# KiCad board yddraig68k.kicad_pcb (continued)
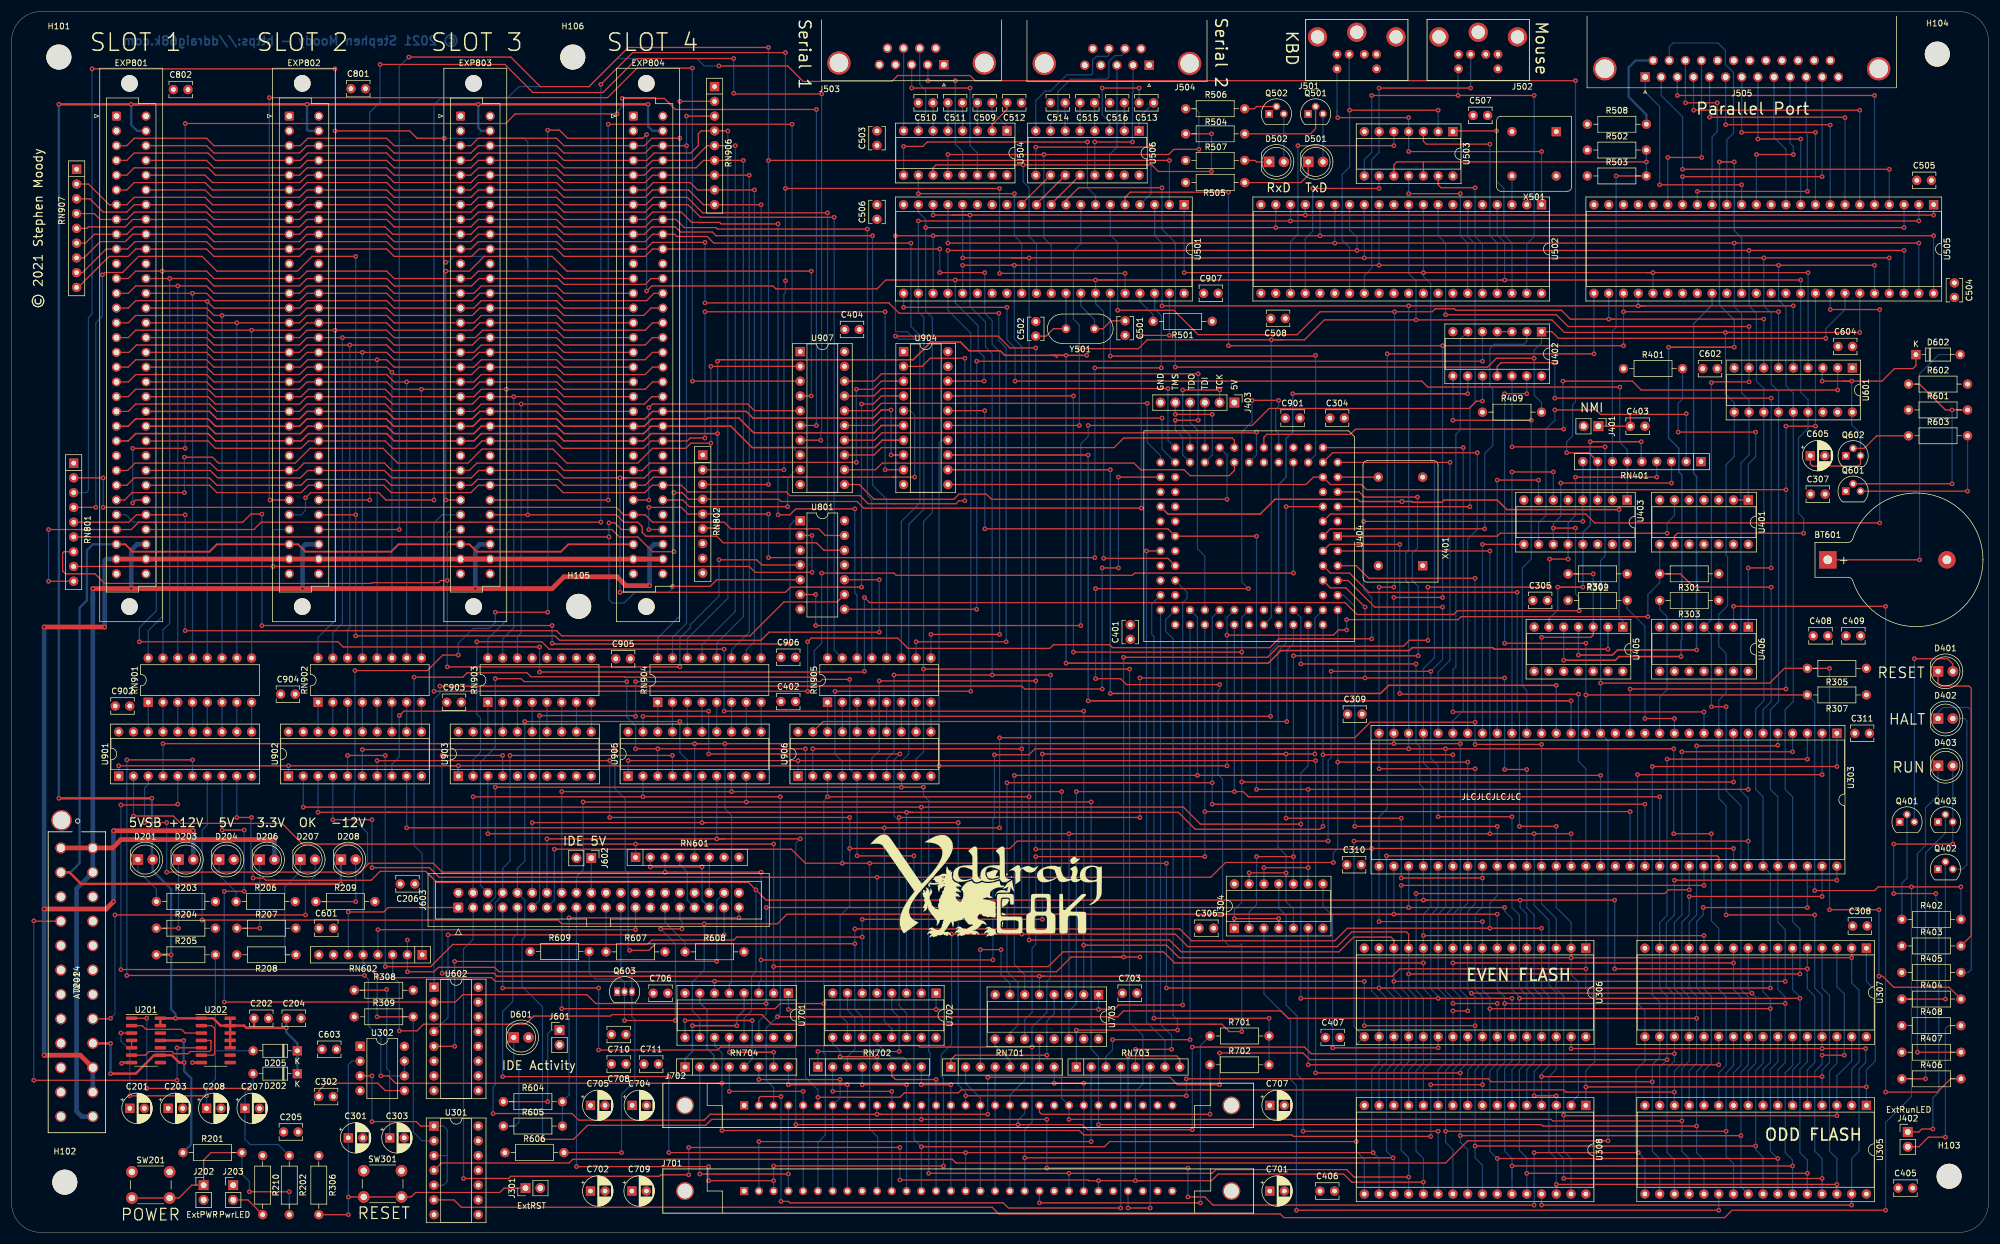
[diagram p0: board, top side]
## Footprints (pads in the part's own frame, mm; a bottom-side part is the same pattern mirrored in y, then rotated) (continued)
DIP-64_W22.86mm_Socket
  rect 1.6x1.6 hole 0.8: 1(0,0)
  oval 1.6x1.6 hole 0.8: 2(0,-2.54) 3(0,-5.08) 4(0,-7.62) 5(0,-10.16) 6(0,-12.7) 7(0,-15.24) 8(0,-17.78) 9(0,-20.32) 10(0,-22.86) 11(0,-25.4) 12(0,-27.94) 13(0,-30.48) 14(0,-33.02) 15(0,-35.56) 16(0,-38.1) 17(0,-40.64) 18(0,-43.18) 19(0,-45.72) 20(0,-48.26) 21(0,-50.8) 22(0,-53.34) 23(0,-55.88) 24(0,-58.42) 25(0,-60.96) 26(0,-63.5) 27(0,-66.04) 28(0,-68.58) 29(0,-71.12) 30(0,-73.66) 31(0,-76.2) 32(0,-78.74) 33(22.86,-78.74) 34(22.86,-76.2) 35(22.86,-73.66) 36(22.86,-71.12) 37(22.86,-68.58) 38(22.86,-66.04) 39(22.86,-63.5) 40(22.86,-60.96) 41(22.86,-58.42) 42(22.86,-55.88) 43(22.86,-53.34) 44(22.86,-50.8) 45(22.86,-48.26) 46(22.86,-45.72) 47(22.86,-43.18) 48(22.86,-40.64) 49(22.86,-38.1) 50(22.86,-35.56) 51(22.86,-33.02) 52(22.86,-30.48) 53(22.86,-27.94) 54(22.86,-25.4) 55(22.86,-22.86) 56(22.86,-20.32) 57(22.86,-17.78) 58(22.86,-15.24) 59(22.86,-12.7) 60(22.86,-10.16) 61(22.86,-7.62) 62(22.86,-5.08) 63(22.86,-2.54) 64(22.86,0)
DSUB-9_Male_Horizontal_P2.77x2.84mm_EdgePinOffset4.94mm_Housed_MountingHolesOffset7.48mm
  round 4 hole 3.2: 0(-6.96,-0.3) 0(18.04,-0.3)
  rect 1.6x1.6 hole 1: 1(0,0)
  round 1.6 hole 1: 2(2.77,0) 3(5.54,0) 4(8.31,0) 5(11.08,0) 6(1.385,-2.84) 7(4.155,-2.84) 8(6.925,-2.84) 9(9.695,-2.84)
DSUB-25_Female_Horizontal_P2.77x2.84mm_EdgePinOffset7.70mm_Housed_MountingHolesOffset9.12mm
  round 4 hole 3.2: 0(-40.17,-1.42) 0(6.93,-1.42)
  rect 1.6x1.6 hole 1: 1(0,0)
  round 1.6 hole 1: 2(-2.77,0) 3(-5.54,0) 4(-8.31,0) 5(-11.08,0) 6(-13.85,0) 7(-16.62,0) 8(-19.39,0) 9(-22.16,0) 10(-24.93,0) 11(-27.7,0) 12(-30.47,0) 13(-33.24,0) 14(-1.385,-2.84) 15(-4.155,-2.84) 16(-6.925,-2.84) 17(-9.695,-2.84) 18(-12.465,-2.84) 19(-15.235,-2.84) 20(-18.005,-2.84) 21(-20.775,-2.84) 22(-23.545,-2.84) 23(-26.315,-2.84) 24(-29.085,-2.84) 25(-31.855,-2.84)
IDC-Header_2x20_P2.54mm_Vertical
  rrect 1.7x1.7 hole 1: 1(0,0)
  round 1.7 hole 1: 2(2.54,0) 3(0,-2.54) 4(2.54,-2.54) 5(0,-5.08) 6(2.54,-5.08) 7(0,-7.62) 8(2.54,-7.62) 9(0,-10.16) 10(2.54,-10.16) 11(0,-12.7) 12(2.54,-12.7) 13(0,-15.24) 14(2.54,-15.24) 15(0,-17.78) 16(2.54,-17.78) 17(0,-20.32) 18(2.54,-20.32) 19(0,-22.86) 20(2.54,-22.86) 21(0,-25.4) 22(2.54,-25.4) 23(0,-27.94) 24(2.54,-27.94) 25(0,-30.48) 26(2.54,-30.48) 27(0,-33.02) 28(2.54,-33.02) 29(0,-35.56) 30(2.54,-35.56) 31(0,-38.1) 32(2.54,-38.1) 33(0,-40.64) 34(2.54,-40.64) 35(0,-43.18) 36(2.54,-43.18) 37(0,-45.72) 38(2.54,-45.72) 39(0,-48.26) 40(2.54,-48.26)
LED_D5.0mm
  rect 1.8x1.8 hole 0.9: 1(0,0)
  round 1.8 hole 0.9: 2(2.54,0)
MINI-DIN-6-FULL-SHIELD
  round 1.524 hole 0.762: 1(-1.3,-8.5) 2(1.3,-8.5) 3(-3.4,-8.5) 4(3.4,-8.5) 5(-3.4,-11) 6(3.4,-11)
  round 3.3 hole 2.3: 7(-6.75,-5.5) 7(0,-4.7) 7(6.75,-5.5)
MountingHole_4.3mm_M4
  round 4.3 hole 4.3 unplated: (0,0)
Oscillator_DIP-8
  rect 1.6x1.6 hole 0.8: 1(0,0)
  round 1.6 hole 0.8: 4(7.62,0) 5(7.62,7.62) 8(0,7.62)
Oscillator_DIP-14
  rect 1.6x1.6 hole 0.8: 1(0,0)
  round 1.6 hole 0.8: 7(15.24,0) 8(15.24,7.62) 14(0,7.62)
PinHeader_1x02_P2.54mm_Vertical
  rect 1.7x1.7 hole 1: 1(0,0)
  oval 1.7x1.7 hole 1: 2(0,-2.54)
PinHeader_1x06_P2.54mm_Vertical
  rect 1.7x1.7 hole 1: 1(0,0)
  oval 1.7x1.7 hole 1: 2(0,-2.54) 3(0,-5.08) 4(0,-7.62) 5(0,-10.16) 6(0,-12.7)
PLCC-84_THT-Socket
  rect 1.422x1.422 hole 0.8: 1(0,0)
  round 1.422 hole 0.8: 2(0,-2.54) 3(-2.54,0) 4(-2.54,-2.54) 5(-5.08,0) 6(-5.08,-2.54) 7(-7.62,0) 8(-7.62,-2.54) 9(-10.16,0) 10(-10.16,-2.54) 11(-12.7,0) 12(-15.24,-2.54) 13(-12.7,-2.54) 14(-15.24,-5.08) 15(-12.7,-5.08) 16(-15.24,-7.62) 17(-12.7,-7.62) 18(-15.24,-10.16) 19(-12.7,-10.16) 20(-15.24,-12.7) 21(-12.7,-12.7) 22(-15.24,-15.24) 23(-12.7,-15.24) 24(-15.24,-17.78) 25(-12.7,-17.78) 26(-15.24,-20.32) 27(-12.7,-20.32) 28(-15.24,-22.86) 29(-12.7,-22.86) 30(-15.24,-25.4) 31(-12.7,-25.4) 32(-15.24,-27.94) 33(-12.7,-30.48) 34(-12.7,-27.94) 35(-10.16,-30.48) 36(-10.16,-27.94) 37(-7.62,-30.48) 38(-7.62,-27.94) 39(-5.08,-30.48) 40(-5.08,-27.94) 41(-2.54,-30.48) 42(-2.54,-27.94) 43(0,-30.48) 44(0,-27.94) 45(2.54,-30.48) 46(2.54,-27.94) 47(5.08,-30.48) 48(5.08,-27.94) 49(7.62,-30.48) 50(7.62,-27.94) 51(10.16,-30.48) 52(10.16,-27.94) 53(12.7,-30.48) 54(15.24,-27.94) 55(12.7,-27.94) 56(15.24,-25.4) 57(12.7,-25.4) 58(15.24,-22.86) 59(12.7,-22.86) 60(15.24,-20.32) 61(12.7,-20.32) 62(15.24,-17.78) 63(12.7,-17.78) 64(15.24,-15.24) 65(12.7,-15.24) 66(15.24,-12.7) 67(12.7,-12.7) 68(15.24,-10.16) 69(12.7,-10.16) 70(15.24,-7.62) 71(12.7,-7.62) 72(15.24,-5.08) 73(12.7,-5.08) 74(15.24,-2.54) 75(12.7,0) 76(12.7,-2.54) 77(10.16,0) 78(10.16,-2.54) 79(7.62,0) 80(7.62,-2.54) 81(5.08,0) 82(5.08,-2.54) 83(2.54,0) 84(2.54,-2.54)
R_Array_SIP8
  rect 1.6x1.6 hole 0.8: 1(0,0)
  oval 1.6x1.6 hole 0.8: 2(2.54,0) 3(5.08,0) 4(7.62,0) 5(10.16,0) 6(12.7,0) 7(15.24,0) 8(17.78,0)
R_Array_SIP9
  rect 1.6x1.6 hole 0.8: 1(0,0)
  oval 1.6x1.6 hole 0.8: 2(2.54,0) 3(5.08,0) 4(7.62,0) 5(10.16,0) 6(12.7,0) 7(15.24,0) 8(17.78,0) 9(20.32,0)
R_Axial_DIN0207_L6.3mm_D2.5mm_P10.16mm_Horizontal
  round 1.6 hole 0.8: 1(0,0)
  oval 1.6x1.6 hole 0.8: 2(10.16,0)
SIMM-30
  rect 1.397x1.397 hole 0.813: 1(-36.83,0)
  round 1.397 hole 0.813: 2(-34.29,0) 3(-31.75,0) 4(-29.21,0) 5(-26.67,0) 6(-24.13,0) 7(-21.59,0) 8(-19.05,0) 9(-16.51,0) 10(-13.97,0) 11(-11.43,0) 12(-8.89,0) 13(-6.35,0) 14(-3.81,0) 15(-1.27,0) 16(1.27,0) 17(3.81,0) 18(6.35,0) 19(8.89,0) 20(11.43,0) 21(13.97,0) 22(16.51,0) 23(19.05,0) 24(21.59,0) 25(24.13,0) 26(26.67,0) 27(29.21,0) 28(31.75,0) 29(34.29,0) 30(36.83,0)
  round 3.048 hole 2.54: 31(46.99,0) 32(-46.99,0)
SO-14_3.9x8.65mm_P1.27mm
  rrect 1.95x0.6 smd: 1(-2.475,3.81) 2(-2.475,2.54) 3(-2.475,1.27) 4(-2.475,0) 5(-2.475,-1.27) 6(-2.475,-2.54) 7(-2.475,-3.81) 8(2.475,-3.81) 9(2.475,-2.54) 10(2.475,-1.27) 11(2.475,0) 12(2.475,1.27) 13(2.475,2.54) 14(2.475,3.81)
SW_PUSH_6mm_H4.3mm
  round 2 hole 1.1: 1(0,0) 1(6.5,0) 2(0,-4.5) 2(6.5,-4.5)
TO-92
  rect 1.3x1.3 hole 0.75: 1(0,0)
  round 1.3 hole 0.75: 2(1.27,1.27) 3(2.54,0)
TO-92_Inline
  rect 1.05x1.5 hole 0.75: 1(0,0)
  oval 1.05x1.5 hole 0.75: 2(1.27,0) 3(2.54,0)

## Nets
+3V3: D206.2 EXP801.C30 EXP802.C30 EXP803.C30 EXP804.C30 J201.1 J201.2 J201.12 J201.13
+5V: C201.1 C203.1 C205.1 C206.1 C304.1 C305.1 C306.1 C307.1 C308.1 C309.1 C310.1 C311.1 C401.1 C402.1 C404.1 C405.1 C406.1 C407.1 C408.1 C409.1 C503.1 C504.1 C505.1 C506.1 C507.1 C508.1 C512.1 C516.2 C601.1 C602.1 C603.1 C604.1 C701.1 C702.1 C703.1 C704.1 C705.1 C706.1 C707.1 C708.1 C709.1 C710.1 C711.1 C801.1 C802.1 C901.1 C902.1 C903.1 C904.1 C905.1 C906.1 C907.1 D204.2 D601.2 EXP801.A1 EXP801.A24 EXP801.C1 EXP802.A1 EXP802.A24 EXP802.C1 EXP803.A1 EXP803.A24 EXP803.C1 EXP804.A1 EXP804.A24 EXP804.C1 J201.4 J201.6 J201.21 J201.22 J201.23 J203.1 J403.1 J501.4 J502.4 J601.2 J602.2 J701.1 J701.30 J702.1 J702.30 Q401.1 Q402.1 Q403.1 Q501.1 Q502.1 Q602.1 R301.1 R302.1 R303.1 R304.1 R305.1 R306.1 R307.1 R308.1 R309.1 R401.1 R409.1 R501.1 R502.1 R503.1 R508.1 R601.1 R606.1 R608.2 RN401.1 RN801.1 RN802.1 U301.9 U301.11 U301.13 U301.14 U302.4 U302.8 U303.14 U303.49 U304.14 U305.32 U306.32 U307.32 U308.32 U401.14 U402.14 U403.16 U404.22 U404.38 U404.64 U404.73 U404.78 U405.14 U406.14 U501.40 U502.5 U502.25 U502.26 U502.40 U503.14 U504.16 U505.12 U506.16 U602.13 U602.14 U602.15 U602.16 U701.16 U702.16 U703.16 U801.14 U901.20 U902.20 U903.20 U904.20 U905.20 U906.20 U907.20 X401.14 X501.1 X501.8
+5V_SB: C202.1 C204.1 D201.2 D202.1 D205.1 EXP801.C2 EXP802.C2 EXP803.C2 EXP804.C2 J201.9 R201.1 R205.1 U201.9 U201.11 U201.13 U201.14 U202.1 U202.10 U202.11 U202.12 U202.13 U202.14
+12V: D203.2 EXP801.A31 EXP801.C31 EXP802.A31 EXP802.C31 EXP803.A31 EXP803.C31 EXP804.A31 EXP804.C31 J201.10 J201.11
-12V: D208.1 EXP801.A30 EXP802.A30 EXP803.A30 EXP804.A30 J201.14
GND: BT601.2 C201.2 C202.2 C203.2 C204.2 C205.2 C206.2 C207.2 C208.2 C301.2 C302.2 C303.2 C304.2 C305.2 C306.2 C307.2 C308.2 C309.2 C310.2 C311.2 C401.2 C402.2 C403.2 C404.2 C405.2 C406.2 C407.2 C408.2 C409.2 C501.2 C502.2 C503.2 C504.2 C505.2 C506.2 C507.2 C508.2 C510.2 C514.2 C601.2 C602.2 C603.2 C604.2 C605.2 C701.2 C702.2 C703.2 C704.2 C705.2 C706.2 C707.2 C708.2 C709.2 C710.2 C711.2 C801.2 C802.2 C901.2 C902.2 C903.2 C904.2 C905.2 C906.2 C907.2 EXP801.A2 EXP801.A11 EXP801.A32 EXP801.C11 EXP801.C24 EXP801.C32 EXP802.A2 EXP802.A11 EXP802.A32 EXP802.C11 EXP802.C24 EXP802.C32 EXP803.A2 EXP803.A11 EXP803.A32 EXP803.C11 EXP803.C24 EXP803.C32 EXP804.A2 EXP804.A11 EXP804.A32 EXP804.C11 EXP804.C24 EXP804.C32 J201.3 J201.5 J201.7 J201.15 J201.17 J201.18 J201.19 J201.24 J202.2 J301.2 J401.2 J403.6 J501.3 J501.7 J502.3 J502.7 J503.0 J503.5 J504.0 J504.5 J505.0 J505.18 J505.19 J505.20 J505.21 J505.22 J505.23 J505.24 J505.25 J603.2 J603.19 J603.22 J603.24 J603.26 J603.28 J603.30 J603.40 J701.9 J701.22 J702.9 J702.22 Q601.1 Q603.1 R203.2 R204.2 R206.2 R207.2 R208.2 R209.2 R210.2 R403.1 R405.1 R407.1 R408.1 R505.2 R507.2 R602.2 R607.2 R609.1 RN906.1 RN907.1 SW201.1 SW301.1 U201.7 U202.7 U301.7 U302.1 U303.16 U303.53 U304.7 U305.16 U306.16 U307.16 U308.16 U401.7 U402.7 U403.5 U403.8 U404.8 U404.16 U404.27 U404.42 U404.49 U404.60 U405.7 U405.9 U405.10 U405.12 U405.13 U406.5 U406.7 U406.9 U406.11 U406.13 U501.20 U502.2 U502.7 U502.20 U503.7 U504.15 U505.38 U506.15 U601.9 U602.3 U602.8 U701.8 U701.15 U702.8 U702.15 U703.8 U703.13 U703.15 U801.7 U901.10 U901.19 U902.10 U902.19 U903.5 U903.6 U903.7 U903.8 U903.9 U903.10 U903.19 U904.1 U904.10 U904.19 U905.10 U906.10 U907.1 U907.10 U907.19 X401.7 X501.4
/CPU, RAM and ROM/A1: RN601.1 U303.29 U305.12 U306.12 U307.12 U308.12 U501.1 U502.9 U505.29 U601.4 U701.2 U901.2
/CPU, RAM and ROM/A2: RN601.3 U303.30 U305.11 U306.11 U307.11 U308.11 U501.3 U505.28 U601.5 U701.3 U901.3
/CPU, RAM and ROM/A3: RN601.5 U303.31 U305.10 U306.10 U307.10 U308.10 U501.5 U505.27 U601.6 U701.5 U901.4
/CPU, RAM and ROM/A4: U303.32 U305.9 U306.9 U307.9 U308.9 U501.6 U505.26 U601.7 U701.6 U901.5
/CPU, RAM and ROM/A5: U303.33 U305.8 U306.8 U307.8 U308.8 U505.25 U701.11 U901.6
/CPU, RAM and ROM/A6: U303.34 U305.7 U306.7 U307.7 U308.7 U701.10 U901.7
/CPU, RAM and ROM/A7: U303.35 U305.6 U306.6 U307.6 U308.6 U602.2 U701.14 U901.8
/CPU, RAM and ROM/A8: U303.36 U305.5 U306.5 U307.5 U308.5 U404.71 U701.13 U901.9
/CPU, RAM and ROM/A9: U303.37 U305.27 U306.27 U307.27 U308.27 U404.72 U702.2 U902.2
/CPU, RAM and ROM/A10: U303.38 U305.26 U306.26 U307.26 U308.26 U404.74 U702.3 U902.3
/CPU, RAM and ROM/A11: U303.39 U305.23 U306.23 U307.23 U308.23 U404.75 U702.5 U902.4
/CPU, RAM and ROM/A12: U303.40 U305.25 U306.25 U307.25 U308.25 U404.76 U702.6 U902.5
/CPU, RAM and ROM/A13: U303.41 U305.4 U306.4 U307.4 U308.4 U404.77 U702.11 U902.6
/CPU, RAM and ROM/A14: U303.42 U305.28 U306.28 U307.28 U308.28 U404.79 U702.10 U902.7
/CPU, RAM and ROM/A15: U303.43 U305.29 U306.29 U307.3 U308.3 U404.80 U702.14 U902.8
/CPU, RAM and ROM/A16: U303.44 U305.3 U306.3 U307.31 U308.31 U404.81 U702.13 U902.9
/CPU, RAM and ROM/A17: U303.45 U305.2 U306.2 U307.2 U308.2 U404.82 U703.2 U903.2
/CPU, RAM and ROM/A18: U303.46 U305.30 U306.30 U307.30 U308.30 U404.83 U703.3 U903.3
/CPU, RAM and ROM/A19: U303.47 U305.1 U306.1 U307.1 U308.1 U404.84 U703.5 U903.4
/CPU, RAM and ROM/A20: U303.48 U404.57 U703.6
/CPU, RAM and ROM/A21: U303.50 U404.58 U703.11
/CPU, RAM and ROM/A22: U303.51 U404.61 U703.10
/CPU, RAM and ROM/A23: U303.52 U404.62 U703.14
/CPU, RAM and ROM/CLK10: U303.15 U404.10 U505.40 U904.11
/CPU, RAM and ROM/D0: J603.4 J702.3 U303.5 U305.13 U307.13 U905.2
/CPU, RAM and ROM/D1: J603.6 J702.6 U303.4 U305.14 U307.14 U905.3
/CPU, RAM and ROM/D2: J603.8 J702.10 U303.3 U305.15 U307.15 U905.4
/CPU, RAM and ROM/D3: J603.10 J702.13 U303.2 U305.17 U307.17 U905.5
/CPU, RAM and ROM/D4: J603.12 J702.16 U303.1 U305.18 U307.18 U905.6
/CPU, RAM and ROM/D5: J603.14 J702.20 U303.64 U305.19 U307.19 U905.7
/CPU, RAM and ROM/D6: J603.16 J702.23 U303.63 U305.20 U307.20 U905.8
/CPU, RAM and ROM/D7: J603.18 J702.25 U303.62 U305.21 U307.21 U905.9
/CPU, RAM and ROM/D8: J603.17 J701.3 U303.61 U306.13 U308.13 U501.25 U502.12 U505.44 U601.14 U906.2
/CPU, RAM and ROM/D9: J603.15 J701.6 U303.60 U306.14 U308.14 U501.16 U502.13 U505.45 U601.13 U906.3
/CPU, RAM and ROM/D10: J603.13 J701.10 U303.59 U306.15 U308.15 U501.24 U502.14 U505.46 U601.12 U906.4
/CPU, RAM and ROM/D11: J603.11 J701.13 U303.58 U306.17 U308.17 U501.17 U502.15 U505.47 U601.11 U906.5
/CPU, RAM and ROM/D12: J603.9 J701.16 U303.57 U306.18 U308.18 U501.23 U502.16 U505.48 U906.6
/CPU, RAM and ROM/D13: J603.7 J701.20 U303.56 U306.19 U308.19 U501.18 U502.17 U505.1 U906.7
/CPU, RAM and ROM/D14: J603.5 J701.23 U303.55 U306.20 U308.20 U501.22 U502.18 U505.2 U906.8
/CPU, RAM and ROM/D15: J603.3 J701.25 U303.54 U306.21 U308.21 U501.19 U502.19 U505.3 U906.9
/CPU, RAM and ROM/E: U303.20 U904.12
/CPU, RAM and ROM/FC0: U303.28 U404.11
/CPU, RAM and ROM/FC1: U303.27 U404.12
/CPU, RAM and ROM/FC2: U303.26 U404.13
/CPU, RAM and ROM/RD~{WR}: U303.9 U305.31 U306.31 U307.29 U308.29 U404.66 U406.3 U501.8 U502.10 U505.43 U601.10 U904.15
/CPU, RAM and ROM/RESET: U301.1 U301.3 U301.5 U302.3
/CPU, RAM and ROM/~{AS}: R301.2 U303.6 U401.8 U404.63 U901.1 U902.1 U903.1 U904.14
/CPU, RAM and ROM/~{BERR}: U303.22 U402.8
/CPU, RAM and ROM/~{CPU_RESET}: R307.2 R402.2 U301.6 U303.18 U402.13
/CPU, RAM and ROM/~{CS_ROM}: U304.2 U304.10 U404.7
/CPU, RAM and ROM/~{CS_SRAM}: U304.5 U304.13 U404.6
/CPU, RAM and ROM/~{DTACK}: U303.10 U402.6
/CPU, RAM and ROM/~{HALT}: R305.2 R404.2 U301.4 U303.17 U402.12
/CPU, RAM and ROM/~{IPL0}: U303.25 U403.9
/CPU, RAM and ROM/~{IPL1}: U303.24 U403.7
/CPU, RAM and ROM/~{IPL2}: U303.23 U403.6
/CPU, RAM and ROM/~{LDS}: U303.8 U304.1 U304.4 U404.65 U904.17
/CPU, RAM and ROM/~{RD}WR: U305.24 U306.24 U307.24 U308.24 U406.4 U502.8 U601.8 U905.1 U906.1
/CPU, RAM and ROM/~{RESET}: R309.2 RN602.5 U301.2 U401.9 U404.48 U501.34 U502.4 U505.39 U601.15 U904.18
/CPU, RAM and ROM/~{UDS}: U303.7 U304.9 U304.12 U404.44 U904.16
/CPU, RAM and ROM/~{VMA}: U303.19 U904.13
/CPU, RAM and ROM/~{VPA}: R302.2 U303.21 U405.3
/Decode and Logic/BOOTROM: U401.6 U404.1
/Decode and Logic/~{CPLD_BERR}: U402.9 U404.69
/Decode and Logic/~{CPLD_VPA}: U404.39 U405.1
/Decode and Logic/~{CS_DUART}: U404.15 U501.35
/Decode and Logic/~{CS_EXTDATA1}: U404.23 U907.14
/Decode and Logic/~{CS_EXTDATA2}: U404.24 U907.13
/Decode and Logic/~{CS_EXTDATA3}: U404.25 U907.12
/Decode and Logic/~{CS_EXTDATA4}: U404.26 U907.11
/Decode and Logic/~{CS_EXTREG1}: U404.31 U907.18
/Decode and Logic/~{CS_EXTREG2}: U404.32 U907.17
/Decode and Logic/~{CS_EXTREG3}: U404.33 U907.16
/Decode and Logic/~{CS_EXTREG4}: U404.34 U907.15
/Decode and Logic/~{CS_IDE}: U404.35 U602.1
/Decode and Logic/~{CS_KBD}: U404.5 U502.6
/Decode and Logic/~{CS_PIT}: U404.4 U505.41
/Decode and Logic/~{CS_RTC}: U404.20 U601.2
/Decode and Logic/~{DATCK_68K}: R409.2 U402.1 U501.9 U505.42
/Decode and Logic/~{DATCK_EXT}: U402.5 U801.8
/Decode and Logic/~{DTACK_CPLD}: U402.2 U404.2
/Decode and Logic/~{EXT_BERR}: U402.10 U801.6
/Decode and Logic/~{EXT_LDS}: U404.68 U905.19
/Decode and Logic/~{EXT_UDS}: U404.70 U906.19
/Decode and Logic/~{EXT_VPA}: EXP801.A23 EXP802.A23 EXP803.A23 EXP804.A23 RN802.6 U405.2
/Decode and Logic/~{EXTINT1}: EXP801.A28 RN401.3 U403.11
/Decode and Logic/~{EXTINT2}: EXP802.A28 RN401.8 U403.3
/Decode and Logic/~{EXTINT3}: EXP803.A28 RN401.9 U403.4
/Decode and Logic/~{IDE_RD}: RN602.3 U404.18
/Decode and Logic/~{IDE_WR}: RN602.1 U404.17
/Decode and Logic/~{INT_DUART}: RN401.6 U403.1 U501.21
/Decode and Logic/~{INT_IDE}: Q603.3 R606.2 RN401.4 U403.12
/Decode and Logic/~{INT_PIT0}: U405.4 U505.33
/Decode and Logic/~{INT_PIT1}: U405.5 U505.35
/Decode and Logic/~{INT_PS2}: R502.2 R503.2 RN401.7 U403.2 U503.10 U503.12
/Decode and Logic/~{RUN}: R406.2 U406.2
/DRAM Interface/DRAM_MUX: U404.50 U701.1 U702.1 U703.1
/DRAM Interface/~{CAS0}: RN703.1 U404.55
/DRAM Interface/~{CAS1}: RN703.3 U404.56
/DRAM Interface/~{DRAM_WE}: R701.2 R702.2 U404.51
/DRAM Interface/~{RAS0}: RN703.5 U404.53
/DRAM Interface/~{RAS1}: RN703.7 U404.45
/Expansion Bus/BA1: EXP801.A12 EXP802.A12 EXP803.A12 EXP804.A12 RN901.16
/Expansion Bus/BA2: EXP801.C12 EXP802.C12 EXP803.C12 EXP804.C12 RN901.15
/Expansion Bus/BA3: EXP801.A13 EXP802.A13 EXP803.A13 EXP804.A13 RN901.14
/Expansion Bus/BA4: EXP801.C13 EXP802.C13 EXP803.C13 EXP804.C13 RN901.13
/Expansion Bus/BA5: EXP801.A14 EXP802.A14 EXP803.A14 EXP804.A14 RN901.12
/Expansion Bus/BA6: EXP801.C14 EXP802.C14 EXP803.C14 EXP804.C14 RN901.11
/Expansion Bus/BA7: EXP801.A15 EXP802.A15 EXP803.A15 EXP804.A15 RN901.10
/Expansion Bus/BA8: EXP801.C15 EXP802.C15 EXP803.C15 EXP804.C15 RN901.9
/Expansion Bus/BA9: EXP801.A16 EXP802.A16 EXP803.A16 EXP804.A16 RN902.16
/Expansion Bus/BA10: EXP801.C16 EXP802.C16 EXP803.C16 EXP804.C16 RN902.15
/Expansion Bus/BA11: EXP801.A17 EXP802.A17 EXP803.A17 EXP804.A17 RN902.14
/Expansion Bus/BA12: EXP801.C17 EXP802.C17 EXP803.C17 EXP804.C17 RN902.13
/Expansion Bus/BA13: EXP801.A18 EXP802.A18 EXP803.A18 EXP804.A18 RN902.12
/Expansion Bus/BA14: EXP801.C18 EXP802.C18 EXP803.C18 EXP804.C18 RN902.11
/Expansion Bus/BA15: EXP801.A19 EXP802.A19 EXP803.A19 EXP804.A19 RN902.10
/Expansion Bus/BA16: EXP801.C19 EXP802.C19 EXP803.C19 EXP804.C19 RN902.9
/Expansion Bus/BA17: EXP801.A20 EXP802.A20 EXP803.A20 EXP804.A20 RN903.16
/Expansion Bus/BA18: EXP801.C20 EXP802.C20 EXP803.C20 EXP804.C20 RN903.15
/Expansion Bus/BA19: EXP801.A21 EXP802.A21 EXP803.A21 EXP804.A21 RN903.14
/Expansion Bus/BCLK10: EXP801.C23 EXP802.C23 EXP803.C23 EXP804.C23 U904.9
/Expansion Bus/BD0: EXP801.A3 EXP802.A3 EXP803.A3 EXP804.A3 RN904.16 RN906.2
/Expansion Bus/BD1: EXP801.C3 EXP802.C3 EXP803.C3 EXP804.C3 RN904.15 RN906.3
/Expansion Bus/BD2: EXP801.A4 EXP802.A4 EXP803.A4 EXP804.A4 RN904.14 RN906.4
/Expansion Bus/BD3: EXP801.C4 EXP802.C4 EXP803.C4 EXP804.C4 RN904.13 RN906.5
/Expansion Bus/BD4: EXP801.A5 EXP802.A5 EXP803.A5 EXP804.A5 RN904.12 RN906.6
/Expansion Bus/BD5: EXP801.C5 EXP802.C5 EXP803.C5 EXP804.C5 RN904.11 RN906.7
/Expansion Bus/BD6: EXP801.A6 EXP802.A6 EXP803.A6 EXP804.A6 RN904.10 RN906.8
/Expansion Bus/BD7: EXP801.C6 EXP802.C6 EXP803.C6 EXP804.C6 RN904.9 RN906.9
/Expansion Bus/BD8: EXP801.A7 EXP802.A7 EXP803.A7 EXP804.A7 RN905.16 RN907.2
/Expansion Bus/BD9: EXP801.C7 EXP802.C7 EXP803.C7 EXP804.C7 RN905.15 RN907.3
/Expansion Bus/BD10: EXP801.A8 EXP802.A8 EXP803.A8 EXP804.A8 RN905.14 RN907.4
/Expansion Bus/BD11: EXP801.C8 EXP802.C8 EXP803.C8 EXP804.C8 RN905.13 RN907.5
/Expansion Bus/BD12: EXP801.A9 EXP802.A9 EXP803.A9 EXP804.A9 RN905.12 RN907.6
/Expansion Bus/BD13: EXP801.C9 EXP802.C9 EXP803.C9 EXP804.C9 RN905.11 RN907.7
/Expansion Bus/BD14: EXP801.A10 EXP802.A10 EXP803.A10 EXP804.A10 RN905.10 RN907.8
/Expansion Bus/BD15: EXP801.C10 EXP802.C10 EXP803.C10 EXP804.C10 RN905.9 RN907.9
/Expansion Bus/BE: EXP801.C21 EXP802.C21 EXP803.C21 EXP804.C21 U904.8
/Expansion Bus/BRD~{WR}: EXP801.A26 EXP802.A26 EXP803.A26 EXP804.A26 U904.5
/Expansion Bus/~{BAS}: EXP801.A22 EXP802.A22 EXP803.A22 EXP804.A22 U904.6
/Expansion Bus/~{BCS_EXTDATA1}: EXP801.C27 U907.6
/Expansion Bus/~{BCS_EXTDATA2}: EXP802.C27 U907.7
/Expansion Bus/~{BCS_EXTDATA3}: EXP803.C27 U907.8
/Expansion Bus/~{BCS_EXTDATA4}: EXP804.C27 U907.9
/Expansion Bus/~{BCS_EXTREG1}: EXP801.A27 U907.2
/Expansion Bus/~{BCS_EXTREG2}: EXP802.A27 U907.3
/Expansion Bus/~{BCS_EXTREG3}: EXP803.A27 U907.4
/Expansion Bus/~{BCS_EXTREG4}: EXP804.A27 U907.5
/Expansion Bus/~{BLDS}: EXP801.A25 EXP802.A25 EXP803.A25 EXP804.A25 U904.3
/Expansion Bus/~{BRESET}: EXP801.C26 EXP802.C26 EXP803.C26 EXP804.C26 U904.2
/Expansion Bus/~{BUDS}: EXP801.C25 EXP802.C25 EXP803.C25 EXP804.C25 U904.4
/Expansion Bus/~{BVMA}: EXP801.C22 EXP802.C22 EXP803.C22 EXP804.C22 U904.7
/Expansion Bus/~{DTACK_EXT1}: EXP801.C28 RN801.5 U801.9
/Expansion Bus/~{DTACK_EXT2}: EXP802.C28 RN801.4 U801.10
/Expansion Bus/~{DTACK_EXT3}: EXP803.C28 RN801.3 U801.12
/Expansion Bus/~{DTACK_EXT4}: EXP804.A28 RN801.2 U801.13
/Expansion Bus/~{EXT_BERR1}: EXP801.A29 RN801.9 U801.1
/Expansion Bus/~{EXT_BERR2}: EXP802.A29 RN801.8 U801.2
/Expansion Bus/~{EXT_BERR3}: EXP803.A29 RN801.7 U801.4
/Expansion Bus/~{EXT_BERR4}: EXP804.A29 RN801.6 U801.5
/Expansion Bus/~{EXT_PD1}: EXP801.C29 RN802.2 U501.36
/Expansion Bus/~{EXT_PD2}: EXP802.C29 RN802.3 U501.2
/Expansion Bus/~{EXT_PD3}: EXP803.C29 RN802.4 U501.39
/Expansion Bus/~{EXT_PD4}: EXP804.C29 RN802.5 U501.38
/IDE Interface/ACTIVE: J603.39 R604.2 R605.2
/IDE Interface/IRQ: J603.31 Q603.2 R609.2
/Peripherals/PPACK: J505.10 U505.13
/Peripherals/PPBUSY: J505.11 U505.17
/Peripherals/PPERROR: J505.15 U505.15
/Peripherals/PPINIT: J505.16 U505.16
/Peripherals/PPPAPER: J505.12 U505.18
/Peripherals/PPSELECT: J505.17 U505.19
/Peripherals/PPSTROBE: J505.1 U505.14
/Peripherals/RXDA: R506.2 U501.31 U504.12
/Peripherals/TXDA: R504.2 U501.30 U504.11
/Power/PWR_OK: D207.2 J201.8
/Power/~{PWR_ON}: J201.16 U202.5
Net-(BT601-Pad1): BT601.1 D602.2
Net-(C207-Pad1): C207.1 D202.2 R202.1 U201.1
Net-(C208-Pad1): C208.1 D205.2 R205.2 U201.3
Net-(C301-Pad1): C301.1 J301.1 R306.2 SW301.2 U302.2
Net-(C302-Pad1): C302.1 U302.5
Net-(C303-Pad1): C303.1 R308.2 U302.6 U302.7
Net-(C403-Pad1): C403.1 J401.1 RN401.2 U403.10
Net-(C501-Pad1): C501.1 U501.33 Y501.1
Net-(C502-Pad1): C502.1 U501.32 Y501.2
Net-(C509-Pad1): C509.1 U504.1
Net-(C509-Pad2): C509.2 U504.3
Net-(C510-Pad1): C510.1 U504.6
Net-(C511-Pad1): C511.1 U504.4
Net-(C511-Pad2): C511.2 U504.5
Net-(C512-Pad2): C512.2 U504.2
Net-(C513-Pad1): C513.1 U506.1
Net-(C513-Pad2): C513.2 U506.3
Net-(C514-Pad1): C514.1 U506.6
Net-(C515-Pad1): C515.1 U506.4
Net-(C515-Pad2): C515.2 U506.5
Net-(C516-Pad1): C516.1 U506.2
Net-(C605-Pad1): C605.1 D602.1 Q602.3 U601.3 U601.18
Net-(D201-Pad1): D201.1 R203.1
Net-(D203-Pad1): D203.1 R204.1
Net-(D204-Pad1): D204.1 R206.1
Net-(D206-Pad1): D206.1 R207.1
Net-(D207-Pad1): D207.1 R208.1
Net-(D208-Pad2): D208.2 R209.1
Net-(D401-Pad1): D401.1 R403.2
Net-(D401-Pad2): D401.2 Q401.3
Net-(D402-Pad1): D402.1 R405.2
Net-(D402-Pad2): D402.2 Q402.3
Net-(D403-Pad1): D403.1 R407.2
Net-(D403-Pad2): D403.2 J402.1 Q403.3
Net-(D501-Pad1): D501.1 R505.1
Net-(D501-Pad2): D501.2 Q501.3
Net-(D502-Pad1): D502.1 R507.1
Net-(D502-Pad2): D502.2 Q502.3
Net-(D601-Pad1): D601.1 R605.1
Net-(EXP804-PadC28): EXP804.C28
Net-(J201-Pad20): J201.20
Net-(J202-Pad1): J202.1 R201.2 R202.2 SW201.2
Net-(J203-Pad2): J203.2 R210.1
Net-(J402-Pad2): J402.2 R408.2
Net-(J403-Pad2): J403.2 U404.30
Net-(J403-Pad3): J403.3 U404.28
Net-(J403-Pad4): J403.4 U404.59
Net-(J403-Pad5): J403.5 U404.29
Net-(J501-Pad1): J501.1 U502.27 U503.2
Net-(J501-Pad2): J501.2
Net-(J501-Pad5): J501.5 U502.1 U503.4
Net-(J501-Pad6): J501.6
Net-(J502-Pad1): J502.1 U502.28 U503.6
Net-(J502-Pad2): J502.2
Net-(J502-Pad5): J502.5 U502.39 U503.8
Net-(J502-Pad6): J502.6
Net-(J503-Pad1): J503.1
Net-(J503-Pad2): J503.2 U504.13
Net-(J503-Pad3): J503.3 U504.14
Net-(J503-Pad4): J503.4
Net-(J503-Pad6): J503.6
Net-(J503-Pad7): J503.7 U504.7
Net-(J503-Pad8): J503.8 U504.8
Net-(J503-Pad9): J503.9
Net-(J504-Pad1): J504.1
Net-(J504-Pad2): J504.2 U506.13
Net-(J504-Pad3): J504.3 U506.14
Net-(J504-Pad4): J504.4
Net-(J504-Pad6): J504.6
Net-(J504-Pad7): J504.7 U506.7
Net-(J504-Pad8): J504.8 U506.8
Net-(J504-Pad9): J504.9
Net-(J505-Pad2): J505.2 U505.4
Net-(J505-Pad3): J505.3 U505.5
Net-(J505-Pad4): J505.4 U505.6
Net-(J505-Pad5): J505.5 U505.7
Net-(J505-Pad6): J505.6 U505.8
Net-(J505-Pad7): J505.7 U505.9
Net-(J505-Pad8): J505.8 U505.10
Net-(J505-Pad9): J505.9 U505.11
Net-(J505-Pad13): J505.13
Net-(J505-Pad14): J505.14 R508.2
Net-(J601-Pad1): J601.1 R604.1
Net-(J602-Pad1): J602.1 J603.20
Net-(J603-Pad1): J603.1 RN602.6
Net-(J603-Pad21): J603.21 R607.1
Net-(J603-Pad23): J603.23 RN602.2
Net-(J603-Pad25): J603.25 RN602.4
Net-(J603-Pad27): J603.27
Net-(J603-Pad29): J603.29 R608.1
Net-(J603-Pad32): J603.32
Net-(J603-Pad33): J603.33 RN601.4
Net-(J603-Pad34): J603.34
Net-(J603-Pad35): J603.35 RN601.2
Net-(J603-Pad36): J603.36 RN601.6
Net-(J603-Pad37): J603.37 U602.4
Net-(J603-Pad38): J603.38 U602.5
Net-(J701-Pad2): J701.2 RN703.2
Net-(J701-Pad4): J701.4 J702.4 RN704.2
Net-(J701-Pad5): J701.5 J702.5 RN704.4
Net-(J701-Pad7): J701.7 J702.7 RN704.6
Net-(J701-Pad8): J701.8 J702.8 RN704.8
Net-(J701-Pad11): J701.11 J702.11 RN702.2
Net-(J701-Pad12): J701.12 J702.12 RN702.4
Net-(J701-Pad14): J701.14 J702.14 RN702.6
Net-(J701-Pad15): J701.15 J702.15 RN702.8
Net-(J701-Pad17): J701.17 J702.17 RN701.2
Net-(J701-Pad18): J701.18 J702.18 RN701.4
Net-(J701-Pad19): J701.19 J702.19 RN701.6
Net-(J701-Pad21): J701.21 R701.1
Net-(J701-Pad24): J701.24 J702.24 RN701.8
Net-(J701-Pad26): J701.26
Net-(J701-Pad27): J701.27 RN703.6
Net-(J701-Pad28): J701.28
Net-(J701-Pad29): J701.29
Net-(J702-Pad2): J702.2 RN703.4
Net-(J702-Pad21): J702.21 R702.1
Net-(J702-Pad26): J702.26
Net-(J702-Pad27): J702.27 RN703.8
Net-(J702-Pad28): J702.28
Net-(J702-Pad29): J702.29
Net-(Q401-Pad2): Q401.2 R402.1
Net-(Q402-Pad2): Q402.2 R404.1
Net-(Q403-Pad2): Q403.2 R406.1
Net-(Q501-Pad2): Q501.2 R504.1
Net-(Q502-Pad2): Q502.2 R506.1
Net-(Q601-Pad2): Q601.2 R601.2 R602.1
Net-(Q601-Pad3): Q601.3 R603.2
Net-(Q602-Pad2): Q602.2 R603.1
Net-(R303-Pad2): R303.2 U303.13
Net-(R304-Pad2): R304.2 U303.12
Net-(R401-Pad2): R401.2 U401.1 U401.2
Net-(R501-Pad2): R501.2 U501.37
Net-(RN401-Pad5): RN401.5 U403.13 U405.6
Net-(RN601-Pad7): RN601.7
Net-(RN601-Pad8): RN601.8
Net-(RN602-Pad7): RN602.7
Net-(RN602-Pad8): RN602.8
Net-(RN701-Pad1): RN701.1 U703.4
Net-(RN701-Pad3): RN701.3 U703.7
Net-(RN701-Pad5): RN701.5 U703.9
Net-(RN701-Pad7): RN701.7 U703.12
Net-(RN702-Pad1): RN702.1 U702.4
Net-(RN702-Pad3): RN702.3 U702.7
Net-(RN702-Pad5): RN702.5 U702.9
Net-(RN702-Pad7): RN702.7 U702.12
Net-(RN704-Pad1): RN704.1 U701.4
Net-(RN704-Pad3): RN704.3 U701.7
Net-(RN704-Pad5): RN704.5 U701.9
Net-(RN704-Pad7): RN704.7 U701.12
Net-(RN802-Pad7): RN802.7
Net-(RN802-Pad8): RN802.8
Net-(RN802-Pad9): RN802.9
Net-(RN901-Pad1): RN901.1 U901.18
Net-(RN901-Pad2): RN901.2 U901.17
Net-(RN901-Pad3): RN901.3 U901.16
Net-(RN901-Pad4): RN901.4 U901.15
Net-(RN901-Pad5): RN901.5 U901.14
Net-(RN901-Pad6): RN901.6 U901.13
Net-(RN901-Pad7): RN901.7 U901.12
Net-(RN901-Pad8): RN901.8 U901.11
Net-(RN902-Pad1): RN902.1 U902.18
Net-(RN902-Pad2): RN902.2 U902.17
Net-(RN902-Pad3): RN902.3 U902.16
Net-(RN902-Pad4): RN902.4 U902.15
Net-(RN902-Pad5): RN902.5 U902.14
Net-(RN902-Pad6): RN902.6 U902.13
Net-(RN902-Pad7): RN902.7 U902.12
Net-(RN902-Pad8): RN902.8 U902.11
Net-(RN903-Pad1): RN903.1 U903.18
Net-(RN903-Pad2): RN903.2 U903.17
Net-(RN903-Pad3): RN903.3 U903.16
Net-(RN903-Pad4): RN903.4 U903.15
Net-(RN903-Pad5): RN903.5 U903.14
Net-(RN903-Pad6): RN903.6 U903.13
Net-(RN903-Pad7): RN903.7 U903.12
Net-(RN903-Pad8): RN903.8 U903.11
Net-(RN903-Pad9): RN903.9
Net-(RN903-Pad10): RN903.10
Net-(RN903-Pad11): RN903.11
Net-(RN903-Pad12): RN903.12
Net-(RN903-Pad13): RN903.13
Net-(RN904-Pad1): RN904.1 U905.18
Net-(RN904-Pad2): RN904.2 U905.17
Net-(RN904-Pad3): RN904.3 U905.16
Net-(RN904-Pad4): RN904.4 U905.15
Net-(RN904-Pad5): RN904.5 U905.14
Net-(RN904-Pad6): RN904.6 U905.13
Net-(RN904-Pad7): RN904.7 U905.12
Net-(RN904-Pad8): RN904.8 U905.11
Net-(RN905-Pad1): RN905.1 U906.18
Net-(RN905-Pad2): RN905.2 U906.17
Net-(RN905-Pad3): RN905.3 U906.16
Net-(RN905-Pad4): RN905.4 U906.15
Net-(RN905-Pad5): RN905.5 U906.14
Net-(RN905-Pad6): RN905.6 U906.13
Net-(RN905-Pad7): RN905.7 U906.12
Net-(RN905-Pad8): RN905.8 U906.11
Net-(U201-Pad2): U201.2 U202.3
Net-(U201-Pad4): U201.4 U201.5
Net-(U201-Pad6): U201.6 U202.4
Net-(U201-Pad8): U201.8
Net-(U201-Pad10): U201.10
Net-(U201-Pad12): U201.12
Net-(U202-Pad2): U202.2 U202.6
Net-(U202-Pad8): U202.8
Net-(U202-Pad9): U202.9
Net-(U301-Pad8): U301.8
Net-(U301-Pad10): U301.10
Net-(U301-Pad12): U301.12
Net-(U303-Pad11): U303.11
Net-(U304-Pad3): U304.3 U305.22
Net-(U304-Pad6): U304.6 U307.22
Net-(U304-Pad8): U304.8 U306.22
Net-(U304-Pad11): U304.11 U308.22
Net-(U401-Pad3): U401.3
Net-(U401-Pad4): U401.4
Net-(U401-Pad5): U401.5
Net-(U401-Pad10): U401.10
Net-(U401-Pad11): U401.11
Net-(U401-Pad12): U401.12
Net-(U401-Pad13): U401.13
Net-(U402-Pad3): U402.3 U402.4
Net-(U402-Pad11): U402.11 U406.1
Net-(U403-Pad14): U403.14
Net-(U403-Pad15): U403.15
Net-(U404-Pad3): U404.3
Net-(U404-Pad9): U404.9 X401.8
Net-(U404-Pad14): U404.14
Net-(U404-Pad19): U404.19
Net-(U404-Pad21): U404.21
Net-(U404-Pad36): U404.36
Net-(U404-Pad37): U404.37
Net-(U404-Pad40): U404.40
Net-(U404-Pad41): U404.41
Net-(U404-Pad43): U404.43
Net-(U404-Pad46): U404.46
Net-(U404-Pad47): U404.47
Net-(U404-Pad52): U404.52
Net-(U404-Pad54): U404.54
Net-(U404-Pad67): U404.67
Net-(U405-Pad8): U405.8
Net-(U405-Pad11): U405.11
Net-(U406-Pad6): U406.6
Net-(U406-Pad8): U406.8
Net-(U406-Pad10): U406.10
Net-(U406-Pad12): U406.12
Net-(U501-Pad4): U501.4 U506.9
Net-(U501-Pad7): U501.7 U504.9
Net-(U501-Pad10): U501.10 U506.12
Net-(U501-Pad11): U501.11 U506.11
Net-(U501-Pad12): U501.12 U506.10
Net-(U501-Pad13): U501.13
Net-(U501-Pad14): U501.14
Net-(U501-Pad15): U501.15
Net-(U501-Pad26): U501.26
Net-(U501-Pad27): U501.27
Net-(U501-Pad28): U501.28
Net-(U501-Pad29): U501.29 U504.10
Net-(U502-Pad3): U502.3 X501.5
Net-(U502-Pad11): U502.11
Net-(U502-Pad21): U502.21
Net-(U502-Pad22): U502.22
Net-(U502-Pad23): U502.23 U503.5
Net-(U502-Pad24): U502.24 U503.9
Net-(U502-Pad29): U502.29
Net-(U502-Pad30): U502.30
Net-(U502-Pad31): U502.31
Net-(U502-Pad32): U502.32
Net-(U502-Pad33): U502.33
Net-(U502-Pad34): U502.34
Net-(U502-Pad35): U502.35 U503.11
